# Altium PCB CABLE_JIG_TEST_PCB.PcbDoc (part 2 of 4)
Units mm, origin at the board's own origin, x right, y up, seen from the top; angles counter-clockwise.
Board outline 142.11 x 114.81 mm, 4 copper layers (Top Layer 1, Top Layer, Bottom Layer, Bottom Layer 1), stack 0.602 mm thick; 381 components, 359 nets, 1475 pads, 589 vias.
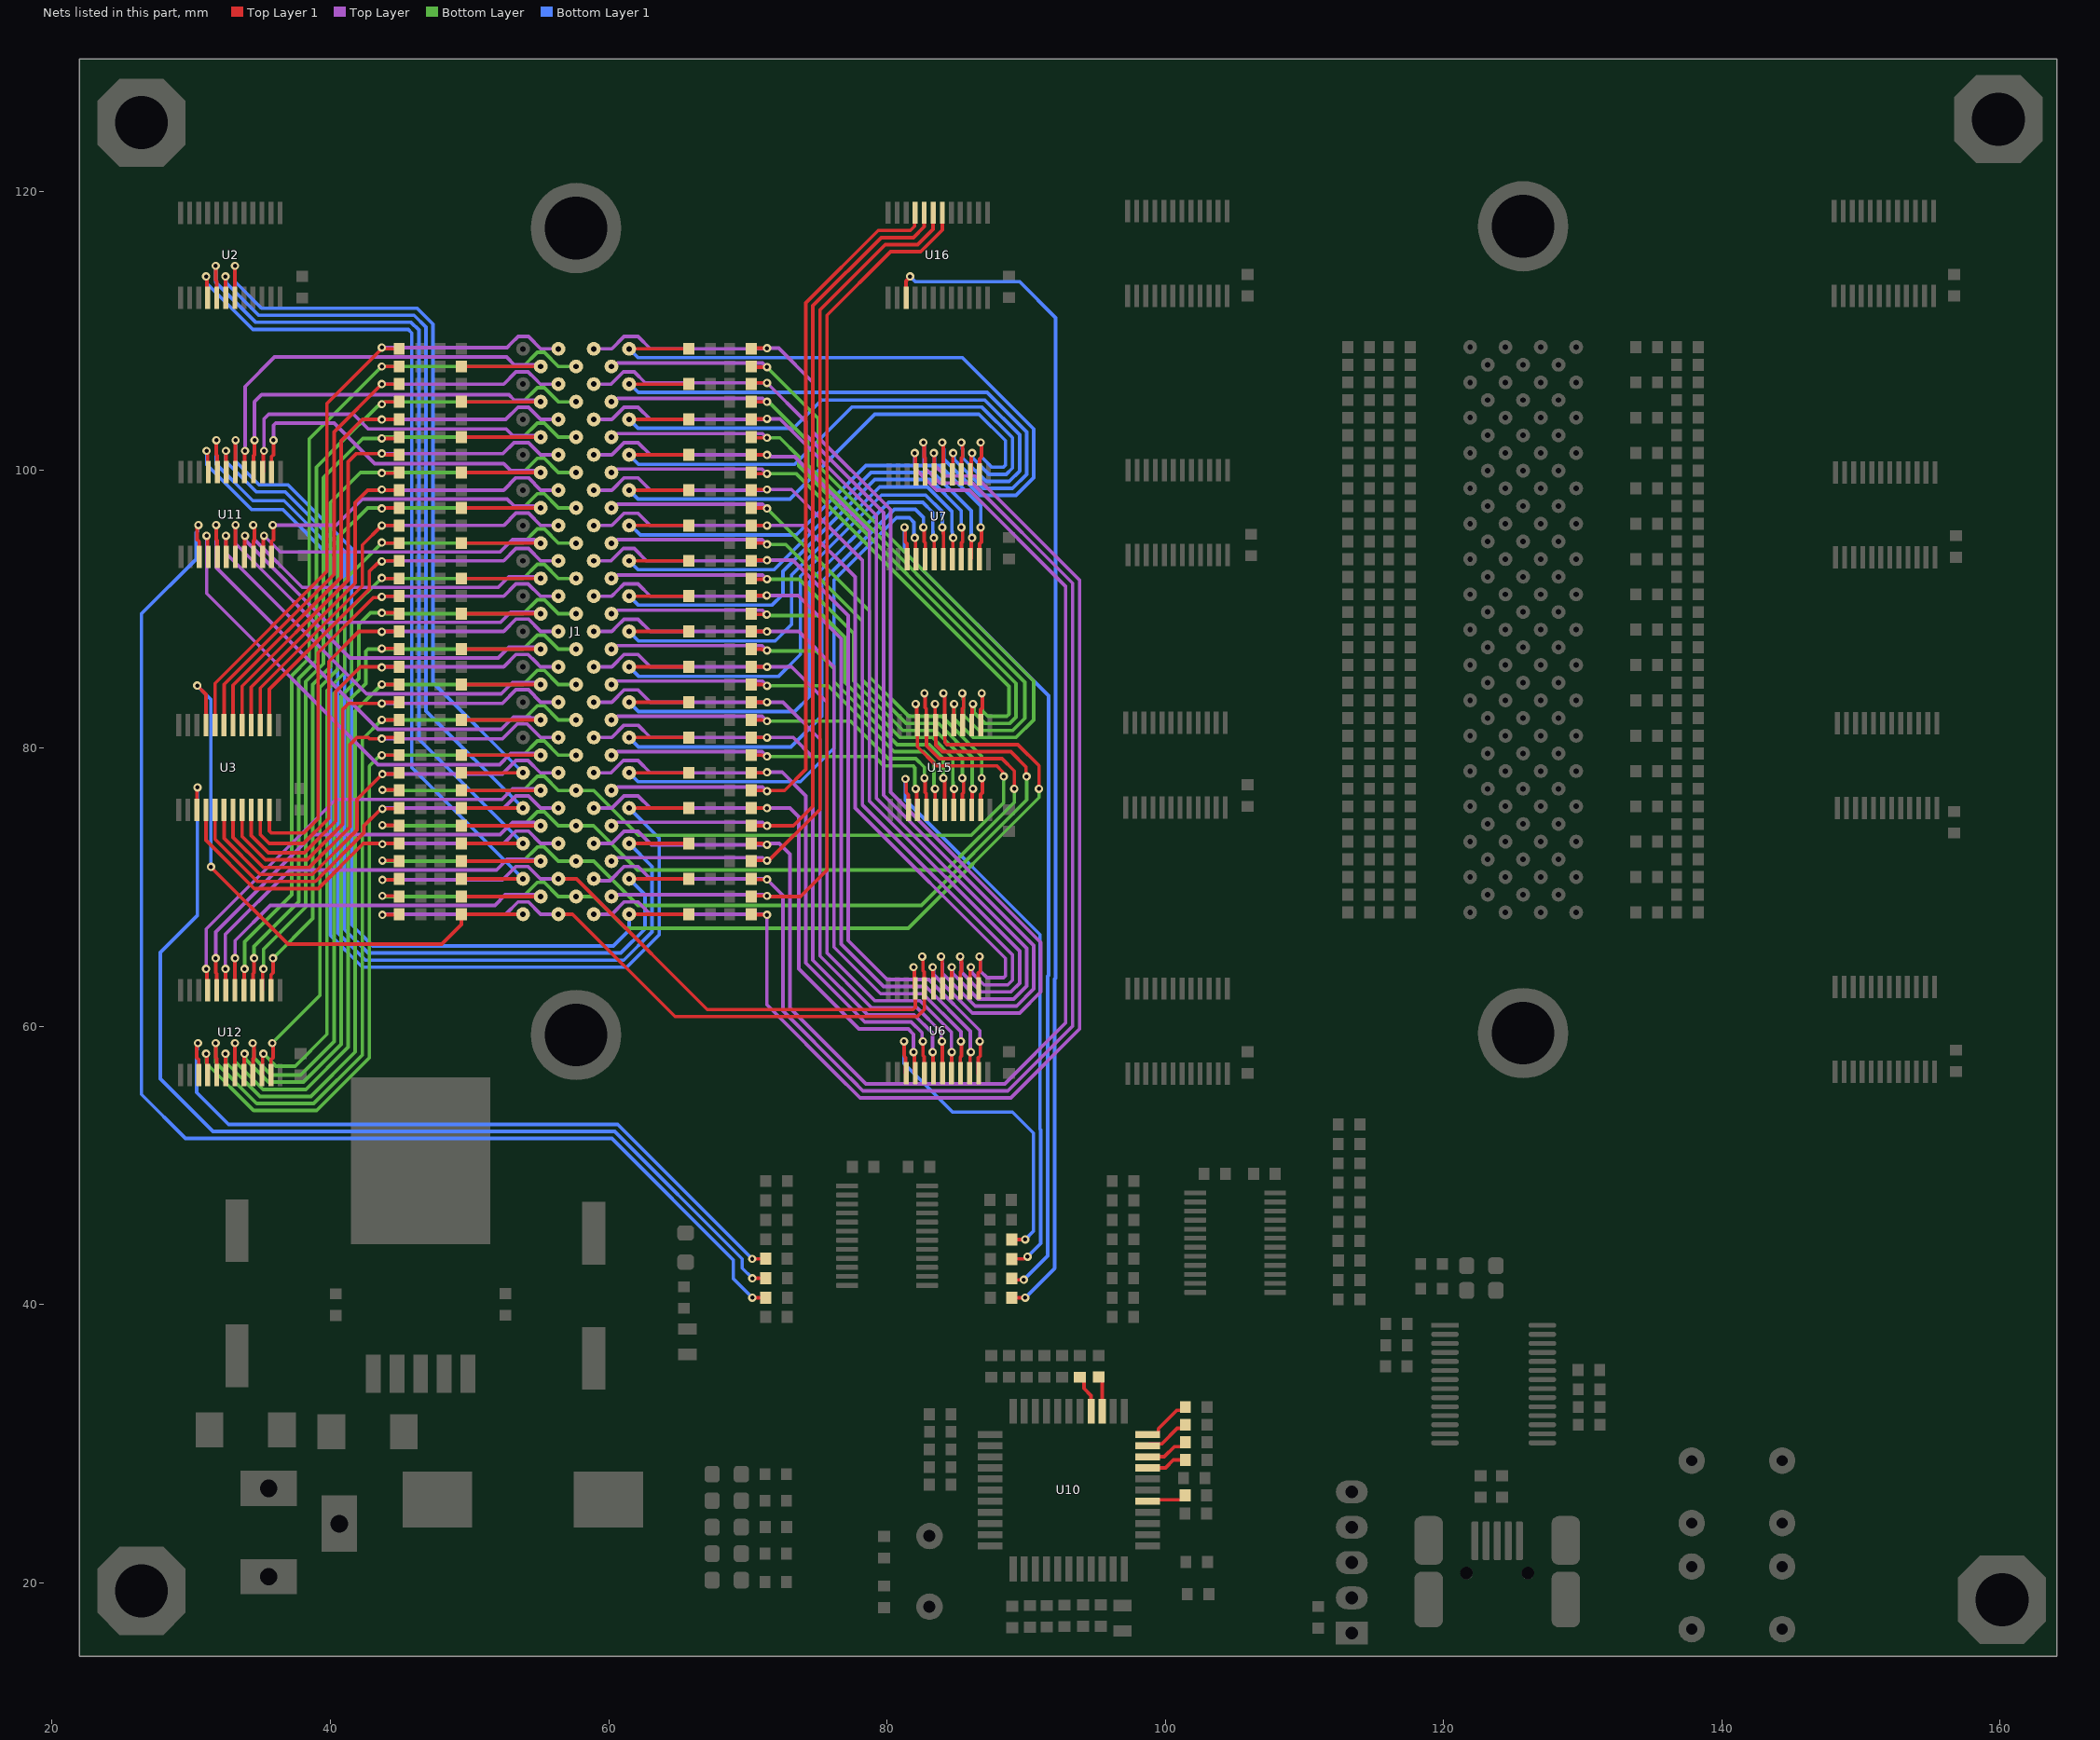
[diagram p4: the nets of this part, all layers, seen from the top]

## Via types
v1: diameter 0.6, hole 0.3, Top Layer 1 to Bottom Layer 1, 556 vias
v2: diameter 1, hole 0.5, Top Layer 1 to Bottom Layer 1, 33 vias

## Nets (pads, with @x,y where several pads share a name; then routed paths per layer and width w, separated by ;. In a path a pad name is that pad's centre, name@x,y a point inside that pad or via, vN(x,y) a via of type N, cw(c..) or ccw(c..) an arc to the next point about the centre after c; other vN are vias at no path point) (continued)
A1Y12: J1.A13 R3.1 U2.19 | length 58.3
  Top Layer 1 w0.254: U2.19@33.132,112.391 33.139,112.399 33.139,114.67 v1(33.147,114.677) ; R3.1@49.416,78.232 R3.1@49.416,78.232 J1.A13@53.848,78.233
  Bottom Layer 1 w0.254: v1(33.147,114.677) 33.147,113.538 35.052,111.633 45.847,111.633 46.224,111.633 47.371,110.486 47.371,110.109 47.371,84.71 J1.A13@53.848,78.233
A1Y13: J1.A14 R20.1 U2.18 | length 59.6
  Top Layer 1 w0.254: v1(32.451,113.915) 32.467,113.9 32.467,112.407 U2.18@32.482,112.391 ; R20.1@49.416,75.692 R20.1@49.416,75.692 J1.A14@53.848,75.693
  Bottom Layer 1 w0.254: v1(32.451,113.915) 32.517,113.849 32.517,113.449 34.842,111.125 44.704,111.125 46.014,111.125 46.863,110.276 46.863,108.966 46.863,82.678 J1.A14@53.848,75.693
A1Y14: J1.A15 R2.1 U2.17 | length 64
  Top Layer 1 w0.254: v1(31.75,114.677) 31.75,113.653 31.832,113.571 U2.17@31.832,112.391 ; R2.1@49.416,73.152 R2.1@49.416,73.152 J1.A15@53.848,73.153
  Bottom Layer 1 w0.254: v1(31.75,114.677) 31.75,113.498 34.631,110.617 44.45,110.617 45.803,110.617 46.355,110.065 46.355,108.712 46.355,80.646 J1.A15@53.848,73.153
A1Y15: J1.A16 R19.1 U2.16 | length 65.3
  Top Layer 1 w0.254: v1(31.069,113.915) 31.132,113.853 31.132,112.441 U2.16@31.182,112.391 ; R19.1@49.416,70.612 R19.1@49.416,70.612 J1.A16@53.848,70.613
  Bottom Layer 1 w0.254: v1(31.069,113.915) 31.135,113.849 31.135,113.395 34.421,110.109 45.593,110.109 45.847,109.855 45.847,78.614 J1.A16@53.848,70.613
A2_ENABLE: R250.1 U3.15 | length 73.6
  Top Layer 1 w0.254: U3.15@30.405,75.561 30.405,77.141 v1(30.442,77.178) v1@30.48,77.216 ; v1(70.328,41.894) 71.283,41.894 R250.1@71.293,41.904
  Bottom Layer 1 w0.254: v1(30.442,77.178) 30.442,67.995 27.771,65.323 27.771,56.233 31.553,52.451 60.437,52.451 69.596,43.292 69.596,42.626 v1(70.328,41.894)
A2_Z_MCU: R38.1 U10.8 | length 2.9
  Top Layer 1 w0.254: U10.8@98.743,28.269 100.024,28.269 100.584,28.829 R38.1@101.46,28.829
A2Y0: J1.A17 R1.1 U3.9 | length 42.6
  Top Layer 1 w0.254: v1(30.427,84.499) 30.436,84.499 31.055,83.88 U3.9@31.055,81.661 ; v1(31.413,71.468) 31.413,71.449 36.949,65.913 48.006,65.913 49.417,67.324 R1.1@49.416,68.072 J1.A17@53.848,68.073
  Bottom Layer 1 w0.254: v1(30.427,84.499) 31.413,83.513 v1(31.413,71.468)
A2Y1: J1.B1 R49.1 U3.8 | length 46.8
  Top Layer 1 w0.254: U3.8@31.705,81.661 31.705,84.664 39.751,92.71 39.751,104.775 v1@43.688,108.712 ; v1(43.688,108.804) v1@43.688,108.712 ; R49.1@44.945,108.712 v1@43.688,108.712
  Top Layer w0.254: v1(43.688,108.804) 52.693,108.804 52.967,109.078 53.49,109.601 54.229,109.601 55.117,108.713 J1.B1@56.388,108.713
A2Y2: J1.B2 R66.1 U3.7 | length 43.8
  Top Layer 1 w0.254: U3.7@32.355,81.661 32.355,84.596 40.259,92.5 40.259,102.743 v1(43.688,106.172) R66.1@44.945,106.172
  Top Layer w0.254: v1@43.815,106.172 52.451,106.172 53.333,107.054 54.213,107.054 54.729,106.538 55.094,106.173 J1.B2@56.388,106.173
A2Y3: J1.B3 R48.1 U3.6 | length 41.8
  Top Layer 1 w0.254: U3.6@33.005,81.661 33.005,84.527 40.767,92.289 40.767,102.108 42.291,103.632 v1(43.688,103.632) R48.1@44.945,103.632
  Top Layer w0.254: v1@43.815,103.632 52.601,103.632 53.483,104.514 54.236,104.514 55.117,103.633 J1.B3@56.388,103.633
A2Y4: J1.B4 R65.1 U3.5 | length 39.4
  Top Layer 1 w0.254: U3.5@33.655,81.661 33.655,84.459 41.275,92.079 41.275,100.584 41.875,101.184 v1(43.688,101.184) ; v1@43.688,101.092 R65.1@44.945,101.092
  Top Layer w0.254: v1(43.688,101.184) 52.416,101.184 53.206,101.974 54.236,101.974 55.117,101.093 J1.B4@56.388,101.093
A2Y5: J1.B5 R47.1 U3.4 | length 36.1
  Top Layer 1 w0.254: U3.4@34.305,81.661 34.305,84.39 41.783,91.868 41.783,97.663 42.672,98.552 43.642,98.552 v1(43.688,98.598) ; v1@43.688,98.552 R47.1@44.945,98.552
  Top Layer w0.254: v1(43.688,98.598) 43.734,98.552 52.451,98.552 53.34,99.441 54.229,99.441 55.117,98.553 J1.B5@56.388,98.553
A2Y6: J1.B6 R64.1 U3.3 | length 32.5
  Top Layer 1 w0.254: U3.3@34.955,81.661 34.955,84.322 42.291,91.658 42.291,94.615 v1(43.688,96.012) 44.425,96.012 R64.1@44.945,96.012
  Top Layer w0.254: v1@43.815,96.012 52.451,96.012 53.34,96.901 54.229,96.901 55.117,96.013 J1.B6@56.388,96.013
A2Y7: J1.B7 R46.1 U3.2 | length 29.9
  Top Layer 1 w0.254: U3.2@35.605,81.661 35.605,84.253 42.799,91.447 42.799,92.71 43.374,93.285 43.453,93.285 43.594,93.426 v1(43.688,93.426) ; v1@43.688,93.472 R46.1@44.945,93.472
  Top Layer w0.254: v1(43.688,93.426) 43.734,93.472 52.451,93.472 53.34,94.361 54.229,94.361 55.117,93.473 J1.B7@56.388,93.473
A2Y8: J1.B8 R63.1 U3.23 | length 38.4
  Top Layer 1 w0.254: U3.23@35.605,75.561 35.605,74.063 35.754,73.914 38.1,73.914 39.116,74.93 39.116,86.868 43.068,90.82 43.622,90.82 v1(43.688,90.886) ; v1@43.688,90.932 44.425,90.932 R63.1@44.945,90.932
  Top Layer w0.254: v1(43.688,90.886) 43.734,90.932 52.451,90.932 53.333,91.814 54.213,91.814 55.094,90.933 J1.B8@56.388,90.933
A2Y9: J1.B9 R45.1 U3.22 | length 38.4
  Top Layer 1 w0.254: U3.22@34.955,75.561 34.955,73.797 35.6,73.152 38.056,73.152 39.878,74.974 39.878,86.233 42.037,88.392 43.667,88.392 v1(43.688,88.371) ; v1@43.688,88.392 R45.1@44.945,88.392
  Top Layer w0.254: v1(43.688,88.371) 43.709,88.392 52.451,88.392 53.34,89.281 54.229,89.281 55.117,88.393 J1.B9@56.388,88.393
A2Y10: J1.B10 R62.1 U3.21 | length 37.4
  Top Layer 1 w0.254: U3.21@34.305,75.561 34.305,73.728 35.538,72.495 38.118,72.495 40.386,74.763 40.386,84.074 42.164,85.852 43.642,85.852 v1(43.688,85.806) ; v1@43.688,85.852 R62.1@44.945,85.852
  Top Layer w0.254: v1(43.688,85.806) 43.734,85.852 52.451,85.852 53.34,86.741 54.206,86.741 54.729,86.218 55.094,85.853 J1.B10@56.388,85.853
A2Y11: J1.B11 R44.1 U3.20 | length 36.8
  Top Layer 1 w0.254: U3.20@33.655,75.561 33.655,73.66 35.328,71.987 38.328,71.987 40.894,74.553 40.894,82.804 41.31,83.22 v1(43.688,83.22) ; v1@43.688,83.312 R44.1@44.945,83.312
  Top Layer w0.254: v1(43.688,83.22) 52.359,83.22 53.34,84.201 54.229,84.201 55.117,83.313 J1.B11@56.388,83.313
A2Y12: J1.B12 R61.1 U3.19 | length 35.7
  Top Layer 1 w0.254: U3.19@33.005,75.561 33.005,73.592 35.159,71.438 38.497,71.438 41.402,74.342 41.402,80.264 41.91,80.772 42.706,80.772 42.798,80.68 v1(43.688,80.68) ; v1@43.688,80.772 R61.1@44.945,80.772
  Top Layer w0.254: v1(43.688,80.68) 52.359,80.68 53.425,81.746 54.144,81.746 55.117,80.773 J1.B12@56.388,80.773
A2Y13: J1.B13 R43.1 U3.18 | length 33.4
  Top Layer 1 w0.254: U3.18@32.355,75.561 32.355,73.523 34.949,70.929 38.708,70.929 41.91,74.132 41.91,76.316 43.232,77.638 v1(43.734,78.14) ; v1@43.78,78.186 43.826,78.14 44.853,78.14 R43.1@44.945,78.232
  Top Layer w0.254: v1(43.734,78.14) 52.359,78.14 53.333,79.114 54.213,79.114 55.094,78.233 J1.B13@56.388,78.233
A2Y14: J1.B14 R60.1 U3.17 | length 32.5
  Top Layer 1 w0.254: U3.17@31.705,75.561 31.705,73.451 34.669,70.487 34.673,70.487 34.738,70.421 38.918,70.421 42.418,73.921 42.418,74.424 43.64,75.646 v1(43.734,75.646) ; v1@43.757,75.669 43.78,75.646 44.899,75.646 R60.1@44.945,75.692
  Top Layer w0.254: v1(43.734,75.646) 43.78,75.692 52.451,75.692 53.34,76.581 54.229,76.581 55.117,75.693 J1.B14@56.388,75.693
A2Y15: J1.B15 R42.1 U3.16 | length 32.3
  Top Layer 1 w0.254: U3.16@31.055,75.561 31.055,73.383 34.524,69.913 39.128,69.913 42.367,73.152 v1@43.688,73.152 ; v1(43.734,73.106) v1@43.688,73.152 ; R42.1@44.945,73.152 v1@43.688,73.152
  Top Layer w0.254: v1(43.734,73.106) 43.78,73.152 52.451,73.152 53.34,74.041 54.229,74.041 55.117,73.153 J1.B15@56.388,73.153
A3_ENABLE: R259.2 U6.15 | length 24.2
  Top Layer 1 w0.254: v1(81.228,58.924) 81.228,57.971 81.25,57.949 81.25,57.858 81.342,57.766 81.342,56.668 U6.15@81.372,56.638 ; R259.2@88.976,44.678 88.986,44.688 v1(89.941,44.688)
  Bottom Layer 1 w0.254: v1(81.228,58.924) 81.228,57.329 84.709,53.848 89.027,53.848 90.536,52.339 90.536,45.283 v1(89.941,44.688)
A3_Z_MCU: R81.1 U10.15 | length 2.8
  Top Layer 1 w0.254: R81.1@93.853,34.785 93.891,34.785 94.158,34.519 94.158,33.985 94.673,33.47 U10.15@94.673,32.338
A3Y0: J1.B16 R59.1 U6.9 | length 47.2
  Top Layer 1 w0.254: v1(43.734,70.541) 44.874,70.541 R59.1@44.945,70.612 ; J1.B16@56.388,70.613 J1.B16@56.388,70.613 57.683,70.612 59.165,69.13 67.08,61.214 81.893,61.214 82.042,61.363 U6.9@82.042,62.738 ; v1(81.909,64.262) 81.972,64.199 81.972,62.788 U6.9@82.022,62.738
  Top Layer w0.254: v1(43.734,70.541) 52.38,70.541 53.333,71.494 54.213,71.494 55.094,70.613 J1.B16@56.388,70.613
A3Y1: J1.B17 R41.1 U6.8 | length 48.1
  Top Layer 1 w0.254: v1(43.734,68.026) 44.899,68.026 R41.1@44.945,68.072 ; J1.B17@56.388,68.073 57.403,68.073 64.77,60.706 82.169,60.706 82.692,61.229 U6.8@82.692,62.738 ; v1(82.533,65.024) 82.59,64.967 82.59,64 82.672,63.918 U6.8@82.672,62.738
  Top Layer w0.254: v1(43.734,68.026) 43.78,68.072 52.601,68.072 53.483,68.954 54.236,68.954 55.117,68.073 J1.B17@56.388,68.073
A3Y2: J1.C1 R93.1 U6.7 | length 80.8
  Top Layer 1 w0.254: R93.1@70.244,108.712 70.29,108.758 v1(71.374,108.758) ; v1(83.291,64.262) 83.307,64.246 83.307,62.753 U6.7@83.322,62.738
  Top Layer w0.254: J1.C1@58.928,108.713 60.222,108.713 61.103,109.594 62.11,109.594 62.992,108.712 71.328,108.712 v1(71.374,108.758) 72.217,108.758 74.676,106.299 74.676,102.743 80.264,97.155 80.264,76.835 91.059,66.04 91.059,62.484 89.535,60.96 86.138,60.96 83.357,63.741 83.357,64.195 v1(83.291,64.262)
A3Y3: J1.C2 R110.1 U6.6 | length 77.4
  Top Layer 1 w0.254: R110.1@70.244,106.172 70.336,106.264 v1(71.374,106.264) ; v1(83.895,65.024) 83.895,64.93 83.972,64.853 U6.6@83.972,62.738
  Top Layer w0.254: J1.C2@58.928,106.173 60.175,106.173 61.056,107.054 61.833,107.054 62.623,106.264 v1(71.374,106.264) 74.168,103.47 74.168,102.533 79.756,96.945 79.756,76.625 90.551,65.83 90.551,62.694 89.325,61.468 86.349,61.468 83.987,63.83 83.987,64.529 83.961,64.555 83.961,64.957 v1(83.895,65.024)
A3Y4: J1.C3 R92.1 U6.5 | length 71.9
  Top Layer 1 w0.254: R92.1@70.244,103.632 70.29,103.678 v1(71.374,103.678) ; U6.5@84.622,62.738 84.645,62.761 84.645,64.239 v1(84.668,64.262)
  Top Layer w0.254: J1.C3@58.928,103.633 60.222,103.633 61.103,104.514 62.11,104.514 62.992,103.632 71.328,103.632 v1(71.374,103.678) 72.304,103.678 79.248,96.734 79.248,76.414 90.043,65.619 90.043,62.905 89.114,61.976 86.559,61.976 84.734,63.801 84.734,64.195 v1(84.668,64.262)
A3Y5: J1.C4 R109.1 U6.4 | length 69.4
  Top Layer 1 w0.254: R109.1@70.244,101.092 v1(71.374,101.092) ; v1(85.257,65.024) 85.257,64.93 85.349,64.838 85.349,63.98 85.272,63.903 U6.4@85.272,62.738
  Top Layer w0.254: J1.C4@58.928,101.093 60.222,101.093 61.103,101.974 62.11,101.974 62.992,101.092 v1(71.374,101.092) 71.44,101.026 71.635,101.026 71.696,100.965 73.369,100.965 78.74,95.594 78.74,76.204 89.535,65.409 89.535,63.115 88.904,62.484 86.77,62.484 85.349,63.905 85.349,64.544 85.323,64.57 85.323,64.957 v1(85.257,65.024)
A3Y6: J1.C5 R91.1 U6.3 | length 63.4
  Top Layer 1 w0.254: R91.1@70.244,98.552 70.29,98.598 v1(71.374,98.598) ; U6.3@85.922,62.738 85.972,62.788 85.972,64.204 v1(86.03,64.262)
  Top Layer w0.254: J1.C5@58.928,98.553 60.222,98.553 61.103,99.434 62.11,99.434 62.992,98.552 71.328,98.552 v1(71.374,98.598) 73.15,98.598 78.232,93.516 78.232,75.946 89.027,65.151 89.027,63.326 88.693,62.992 86.98,62.992 86.096,63.876 86.096,64.195 v1(86.03,64.262)
A3Y7: J1.C6 R108.1 U6.2 | length 60.8
  Top Layer 1 w0.254: R108.1@70.244,96.012 v1(71.374,96.012) ; U6.2@86.572,62.738 86.572,63.841 86.711,63.98 86.711,64.967 v1(86.654,65.024)
  Top Layer w0.254: J1.C6@58.928,96.013 60.222,96.013 61.103,96.894 62.11,96.894 62.992,96.012 v1(71.374,96.012) 74.019,96.012 77.724,92.307 77.724,75.692 88.519,64.897 88.519,63.649 88.37,63.5 87.19,63.5 86.711,63.979 86.711,64.967 v1(86.654,65.024)
A3Y8: J1.C7 R90.1 U6.23 | length 60.5
  Top Layer 1 w0.254: R90.1@70.244,93.472 70.29,93.518 v1(71.374,93.518) ; U6.23@86.572,56.638 86.572,57.741 86.711,57.88 86.711,58.889 v1(86.676,58.924)
  Top Layer w0.254: J1.C7@58.928,93.473 60.175,93.473 61.056,94.354 61.833,94.354 62.715,93.472 71.328,93.472 v1(71.374,93.518) 73.233,93.518 77.216,89.535 77.216,66.167 80.01,63.373 83.007,63.373 86.676,59.704 v1(86.676,58.924)
A3Y9: J1.C8 R107.1 U6.22 | length 57.9
  Top Layer 1 w0.254: R107.1@70.244,90.932 70.29,90.978 v1(71.367,90.978) ; U6.22@85.922,56.638 85.972,56.688 85.972,58.104 v1(86.03,58.162)
  Top Layer w0.254: J1.C8@58.928,90.933 60.222,90.933 60.587,91.298 61.103,91.814 62.11,91.814 62.992,90.932 71.321,90.932 v1(71.367,90.978) 73.614,90.978 76.708,87.884 76.708,65.913 79.756,62.865 82.797,62.865 85.995,59.667 85.995,58.197 v1(86.03,58.162)
A3Y10: J1.C9 R89.1 U6.21 | length 55
  Top Layer 1 w0.254: R89.1@70.244,88.392 70.764,88.392 v1(71.374,88.392) ; U6.21@85.272,56.638 85.272,57.803 85.349,57.88 85.349,58.889 v1(85.314,58.924)
  Top Layer w0.254: J1.C9@58.928,88.393 60.222,88.393 60.587,88.758 61.103,89.274 62.11,89.274 62.992,88.392 v1(71.374,88.392) 73.66,88.392 76.2,85.852 76.2,65.703 79.546,62.357 82.586,62.357 85.314,59.629 v1(85.314,58.924)
A3Y11: J1.C10 R106.1 U6.20 | length 52
  Top Layer 1 w0.254: R106.1@70.244,85.852 70.764,85.852 v1(71.374,85.852) ; U6.20@84.622,56.638 84.645,56.661 84.645,58.139 v1(84.668,58.162)
  Top Layer w0.254: J1.C10@58.928,85.853 60.222,85.853 61.103,86.734 62.11,86.734 62.992,85.852 v1(71.374,85.852) 73.152,85.852 75.692,83.312 75.692,65.278 79.121,61.849 82.376,61.849 84.633,59.592 84.633,58.197 v1(84.668,58.162)
A3Y12: J1.C11 R88.1 U6.19 | length 48.8
  Top Layer 1 w0.254: R88.1@70.244,83.312 70.764,83.312 v1(71.374,83.312) ; v1(83.952,58.924) 83.987,58.889 U6.19@83.987,56.653
  Top Layer w0.254: J1.C11@58.928,83.313 60.222,83.313 61.103,84.194 62.11,84.194 62.992,83.312 v1(71.374,83.312) 72.517,83.312 75.184,80.645 75.184,65.068 78.911,61.341 82.165,61.341 83.901,59.605 83.901,58.974 v1(83.952,58.924)
A3Y13: J1.C12 R105.1 U6.18 | length 46.5
  Top Layer 1 w0.254: R105.1@70.244,80.772 70.764,80.772 v1(71.374,80.772) ; v1(83.291,58.162) 83.307,58.146 83.307,56.653 U6.18@83.322,56.638
  Top Layer w0.254: J1.C12@58.928,80.773 60.222,80.773 61.103,81.654 62.11,81.654 62.992,80.772 v1(71.374,80.772) 73.257,80.772 74.676,79.353 74.676,64.77 78.613,60.833 81.955,60.833 83.271,59.517 83.271,58.182 v1(83.291,58.162)
A3Y14: J1.C13 R87.1 U6.17 | length 43.3
  Top Layer 1 w0.254: R87.1@70.244,78.232 70.764,78.232 71.328,78.232 v1(71.374,78.278) ; v1(82.59,58.924) 82.59,57.9 82.672,57.818 U6.17@82.672,56.638
  Top Layer w0.254: J1.C13@58.928,78.233 60.175,78.233 61.056,79.114 62.11,79.114 62.992,78.232 71.328,78.232 v1(71.374,78.278) 72.471,78.278 74.168,76.581 74.168,64.56 78.403,60.325 81.744,60.325 82.524,59.546 82.524,58.99 v1(82.59,58.924)
A3Y15: J1.C14 R104.1 U6.16 | length 40.8
  Top Layer 1 w0.254: R104.1@70.244,75.692 70.764,75.692 v1(71.374,75.692) ; v1(81.909,58.162) 81.972,58.099 81.972,56.688 U6.16@82.022,56.638
  Top Layer w0.254: J1.C14@58.928,75.693 60.222,75.693 61.103,76.574 62.11,76.574 62.992,75.692 v1(71.374,75.692) 73.025,75.692 73.66,75.057 73.66,64.135 77.978,59.817 81.534,59.817 81.909,59.442 v1(81.909,58.162)
A4_ENABLE: R251.2 U7.15 | length 62.5
  Top Layer 1 w0.254: v1(81.258,95.881) 81.315,95.824 81.315,94.837 81.459,94.693 U7.15@81.459,93.595 ; R251.2@88.976,41.884 89.071,41.789 v1(89.836,41.789)
  Bottom Layer 1 w0.254: v1(81.258,95.881) 81.258,94.129 91.613,83.774 91.613,63.67 91.552,63.609 91.552,43.505 89.941,41.894 v1@89.784,41.737
A4_Z_MCU: R82.1 U10.11 | length 3.7
  Top Layer 1 w0.254: U10.11@98.743,30.669 99.378,30.669 99.505,30.796 99.505,31.071 100.838,32.405 101.226,32.405 R82.1@101.46,32.639
A4Y0: J1.C15 R86.1 U7.9 | length 99.7
  Top Layer 1 w0.254: R86.1@70.244,73.152 70.764,73.152 71.018,73.152 71.044,73.126 71.308,73.126 v1(71.374,73.06) ; v1(81.996,101.219) 82.059,101.156 82.059,99.745 U7.9@82.109,99.695
  Top Layer w0.254: J1.C15@58.928,73.153 60.222,73.153 61.103,74.034 62.11,74.034 63.084,73.06 v1(71.374,73.06) ; v1@71.374,73.152 72.263,73.152 73.025,72.39 73.025,61.341 78.486,55.88 88.479,55.88 92.837,60.238 92.837,91.654 85.939,98.552 83.566,98.552 81.996,100.122 v1(81.996,101.219)
A4Y1: J1.C16 R103.1 U7.8 | length 99.6
  Top Layer 1 w0.254: R103.1@70.244,70.612 70.29,70.566 v1(71.374,70.566) ; v1(82.62,101.981) 82.677,101.924 82.677,100.957 82.759,100.875 U7.8@82.759,99.695
  Top Layer w0.254: J1.C16@58.928,70.613 59.056,70.485 60.094,70.485 61.103,71.494 62.11,71.494 62.992,70.612 71.328,70.612 v1(71.374,70.566) 72.517,69.423 72.517,61.131 77.133,56.515 77.514,56.134 78.276,55.372 88.69,55.372 93.345,60.027 93.345,91.865 86.15,99.06 83.82,99.06 82.677,100.203 82.677,101.924 v1(82.62,101.981)
A4Y2: J1.C17 R85.1 U7.7 | length 96.7
  Top Layer 1 w0.254: R85.1@70.244,68.072 70.29,68.026 v1(71.374,68.026) ; v1(83.378,101.219) 83.394,101.203 83.394,99.71 U7.7@83.409,99.695
  Top Layer w0.254: J1.C17@58.928,68.073 60.222,68.073 61.103,68.954 62.11,68.954 62.992,68.072 71.374,68.072 71.374,61.555 76.922,56.007 77.303,55.626 78.065,54.864 88.9,54.864 93.853,59.817 93.853,92.075 86.36,99.568 84.201,99.568 83.416,100.353 83.416,101.181 v1(83.378,101.219)
A4Y3: J1.D1 R131.1 U7.6 | length 50.9
  Top Layer 1 w0.254: J1.D1@61.468,108.713 R131.1@65.761,108.712 R131.1@65.761,108.712 ; v1(83.982,101.981) 83.982,101.887 84.059,101.81 U7.6@84.059,99.695
  Bottom Layer 1 w0.254: J1.D1@61.468,108.713 62.104,108.077 85.427,108.077 90.551,102.953 90.551,99.441 89.281,98.171 86.701,98.171 84.074,100.798 84.074,101.486 84.048,101.512 84.048,101.915 v1(83.982,101.981)
A4Y4: J1.D2 R148.1 U7.5 | length 45.9
  Top Layer 1 w0.254: J1.D2@61.468,106.173 R148.1@65.761,106.172 R148.1@65.761,106.172 ; U7.5@84.709,99.695 84.732,99.718 84.732,101.196 v1(84.755,101.219)
  Bottom Layer 1 w0.254: J1.D2@61.468,106.173 61.534,106.173 62.124,105.583 87.203,105.583 90.043,102.743 90.043,99.695 89.027,98.679 86.912,98.679 84.821,100.769 84.821,101.153 v1(84.755,101.219)
A4Y5: J1.D3 R130.1 U7.4 | length 45.7
  Top Layer 1 w0.254: J1.D3@61.468,103.633 R130.1@65.761,103.632 R130.1@65.761,103.632 ; v1(85.344,101.981) 85.344,101.887 85.436,101.795 85.436,100.937 85.359,100.86 U7.4@85.359,99.695
  Bottom Layer 1 w0.254: J1.D3@61.468,103.633 62.104,102.997 73.279,102.997 75.311,105.029 87.039,105.029 89.535,102.533 89.535,99.931 88.791,99.187 87.122,99.187 85.436,100.873 85.436,101.501 85.41,101.527 85.41,101.915 v1(85.344,101.981)
A4Y6: J1.D4 R147.1 U7.3 | length 42.4
  Top Layer 1 w0.254: J1.D4@61.468,101.093 R147.1@65.761,101.092 R147.1@65.761,101.092 ; U7.3@86.009,99.695 86.059,99.745 86.059,101.161 v1(86.117,101.219)
  Bottom Layer 1 w0.254: J1.D4@61.468,101.093 62.15,100.411 73.36,100.411 77.47,104.521 86.828,104.521 89.027,102.322 89.027,100.141 88.581,99.695 87.332,99.695 86.183,100.844 86.183,101.153 v1(86.117,101.219)
A4Y7: J1.D5 R129.1 U7.2 | length 42.2
  Top Layer 1 w0.254: J1.D5@61.468,98.553 R129.1@65.761,98.552 R129.1@65.761,98.552 ; U7.2@86.659,99.695 86.659,100.798 86.798,100.937 86.798,101.924 v1(86.741,101.981)